# Altium PCB LimeSDR-PCIe_1v3.PcbDoc (part 8 of 10) (continued)
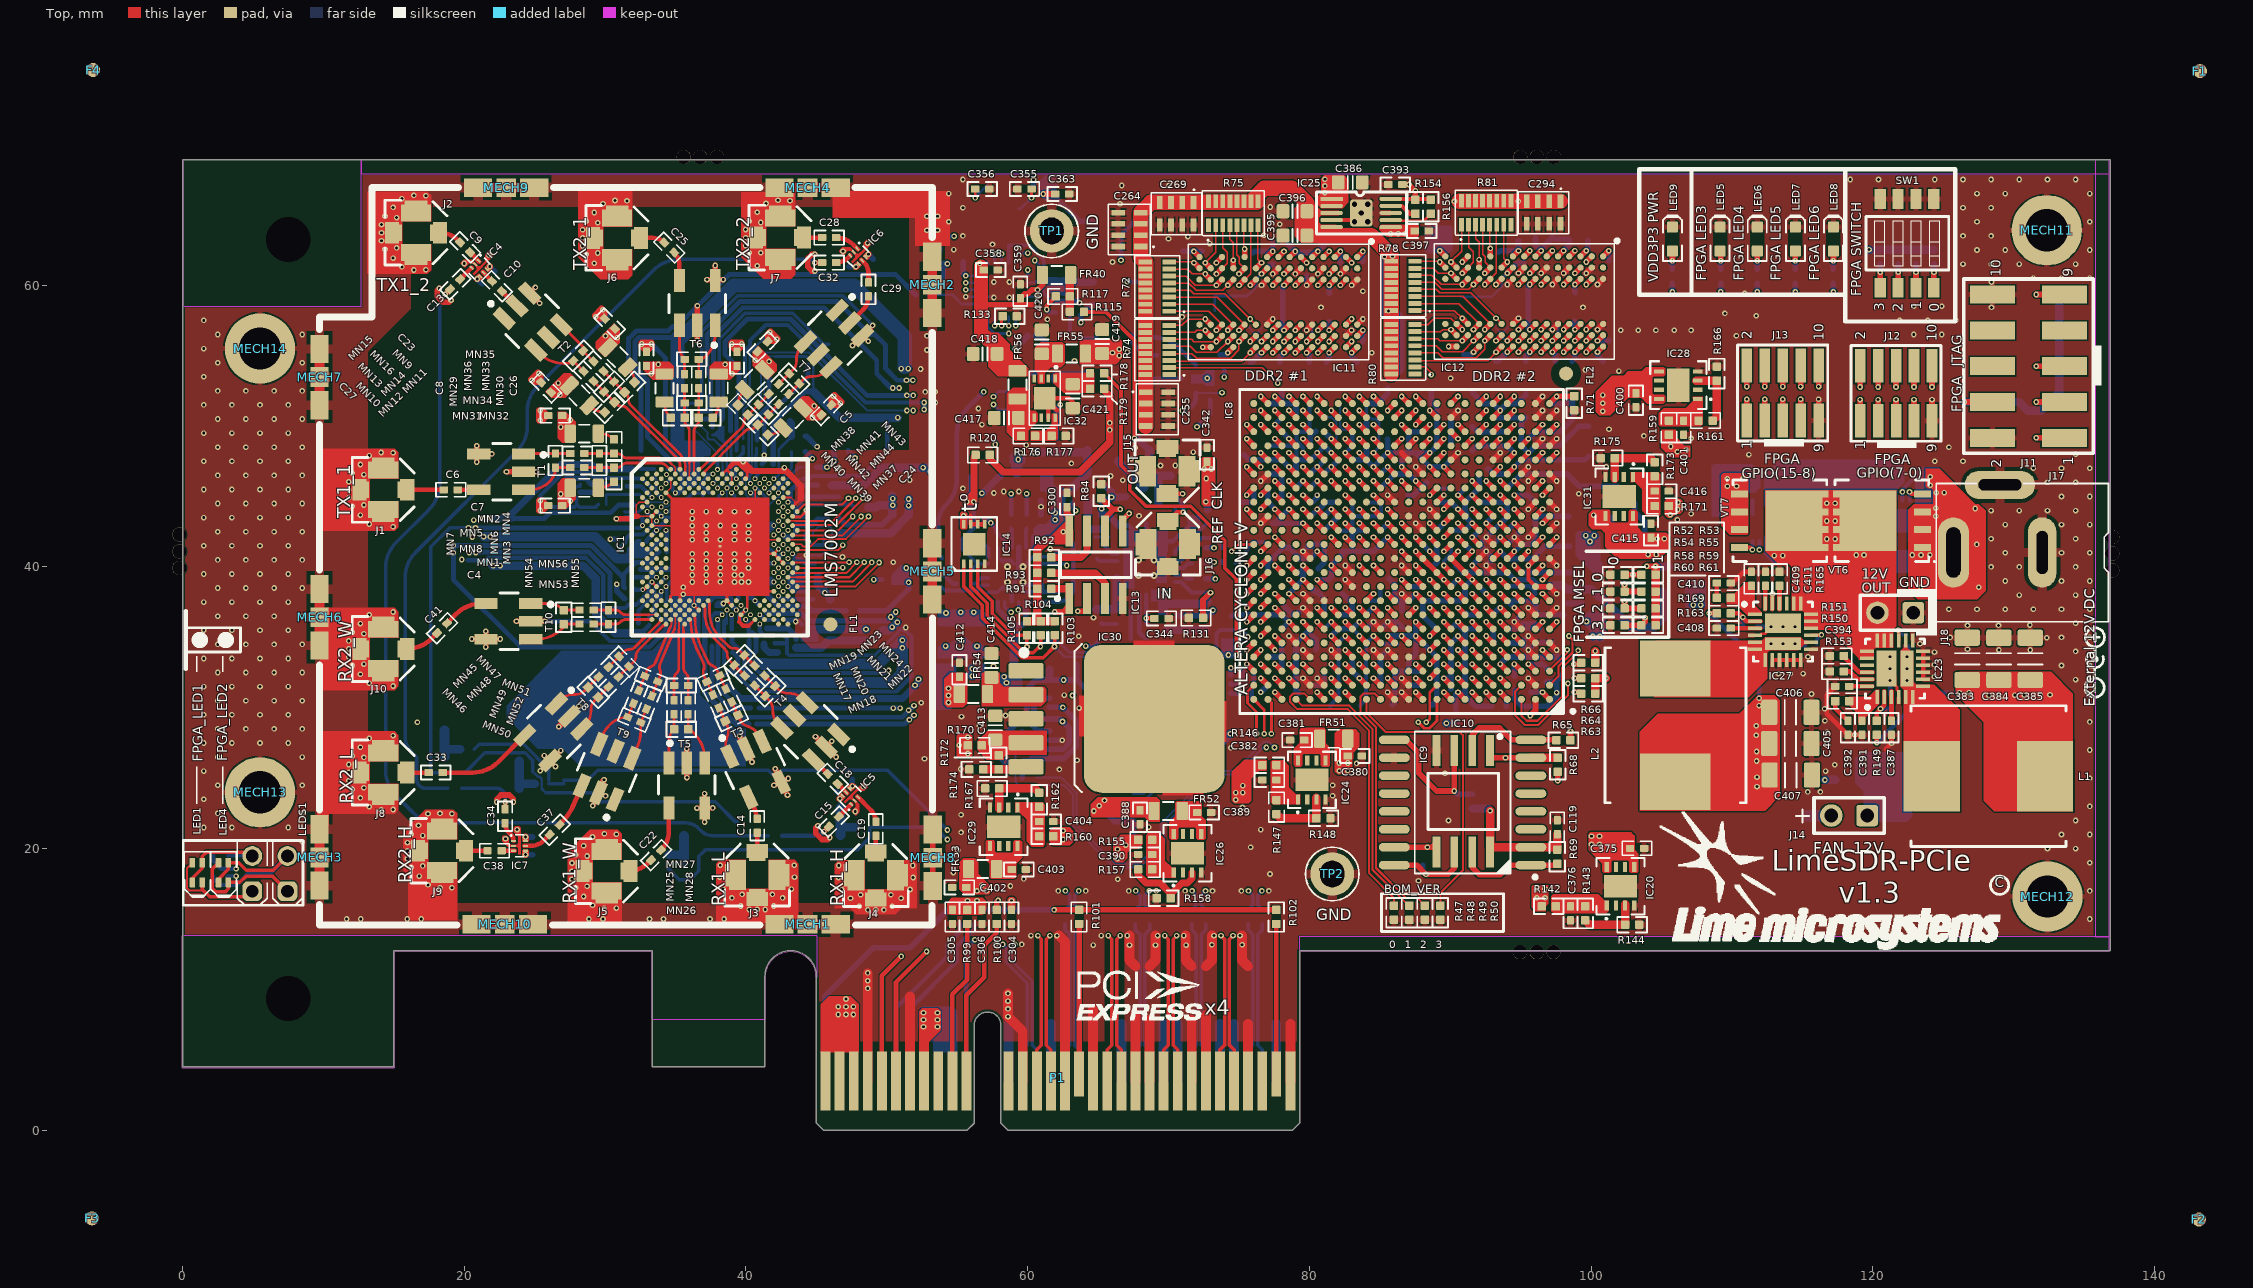
[diagram p0: Top view]
## Nets (pads, with @x,y where several pads share a name; then routed paths per layer and width w, separated by ;. In a path a pad name is that pad's centre, name@x,y a point inside that pad or via, vN(x,y) a via of type N, cw(c..) or ccw(c..) an arc to the next point about the centre after c; other vN are vias at no path point) (continued)
  Bottom w0.6: C302.1@55.45,43 v1(55.45,43.625) ; R70.1@91.6,22.85 92.675,22.85 v1(92.83,22.695) ; v1(119.725,62.525) R85.1@120.53,62.525 R86.1@121.8,62.525 R87.1@123.07,62.525 R88.1@124.34,62.525
  other v1: 56.4,17 57.075,17 56.75,17.4 100.025,20.3 100.6,20.3 100.025,20.875 100.6,20.875 65.45,23.425 82.125,25.525 82.725,25.525 82.125,26.075 82.725,26.075 54.375,30.375 54.375,30.875 128.249,30.876 128.924,30.876 130.074,30.901 130.749,30.901 131.899,30.926 132.574,30.926 126.149,31.076 54.375,31.375 104.05,40.875 104.625,40.875 104.7,42 105.2,42 62.525,42.5 100.175,43.675 100.825,51.625 100.825,52.2
VCC3P3_CLK: C338.2 C342.1 C343.1 C357.1 C358.1 C359.1 C418.2 FR40.1 FR41.1 FR43.1 FR45.1 FR46.1 FR56.2 IC18.16 IC18.17 IC19.11 IC19.18 IC19.20 R124.2 R125.2 | length 65.9
  Top w0.4: 56.725,58.625 60.65,58.625 v1(60.7,58.675) ; 57.475,54.3 57.475,55.9 ; C359.1@59.45,59.05 59.8,59.4 60.025,59.4 60.3,59.675 v1(60.7,59.675) 61.05,60.025 FR40.1@61.05,60.725
  Top w1: 56.675,61.325 56.675,56.65 57.2,56.125 57.7,56.125
  L5 w0.8: 58.525,32.15 58.525,31.575 61.675,28.425 63.25,28.425 64.575,29.75 64.575,31.975 66.05,33.45 67.175,33.45 ; 72.825,47 72.65,46.825 72.65,43 69.8,40.15 v1(69.8,38.175) 69.8,36.075 67.175,33.45 ; v1(74.4,28.15) 72.475,28.15 67.175,33.45
  Bottom w0.2: IC19.20@60.075,58.675 v1(60.7,58.675) ; IC19.18@60.075,59.675 v1(60.7,59.675)
  Bottom w0.4: v1(56.6,61.55) IC19.11@57.1,61.55
  Bottom w0.5: v1@56.775,45.225 56.797,45.225 57.947,46.375 FR41.1@58.05,46.375 ; C338.2@65.25,44.675 65.675,44.675 v1(65.95,44.95) ; C357.1@65.65,45.675 65.95,45.375 v1(65.95,44.95) ; FR46.1@66.95,44.95 v1(65.95,44.95) ; v1(72.65,44.625) 72.775,44.5 R125.2@72.775,44.05
  Bottom w0.6: 69.7,37.475 69.775,37.4 72.625,37.4 C343.1@72.8,37.575 ; FR45.1@72.525,26.871 73.121,26.871 v1(74.4,28.15)
  Bottom w0.8: FR43.1@58.885,30.9 FR43.1@58.9,30.9
  other v1: 58.5,31.775 58.325,32.2 56.75,45.225 72.675,46.275 72.525,46.95 73.025,46.95
VCC3P3_LMK: C319.2 C320.2 C321.2 C322.2 FR41.2 IC16.8 IC16.23 R106.2 R120.1 | length 14
  Top w0.5: 56.175,45.1 56.175,47.775 R120.1@56.35,47.95
  Bottom w0.25: R106.2@55.35,41.95 55.35,41.275 C319.2@55.95,40.675 56.413,40.212 ; C321.2@55.95,39.75 56.412,40.212 ; IC16.23@57.2,40.212 56.413,40.212 ; IC16.8@61.05,40.212 C320.2@62.25,40.212 ; C322.2@62.25,39.225 C320.2@62.25,40.212 ; v1(62.775,40.1) 62.663,40.212 C320.2@62.25,40.212
  Bottom w0.3: R106.2@55.35,41.95 56.175,42.775 v1(56.175,44.625) 56.175,45.07
  Bottom w0.6: 56.05,45.17 FR41.2@56.05,46.375
  other v1: 55.675,44.625
VCC3P3_PCIE: C304.1 C305.1 C306.1 P1.A9 P1.A10 P1.B8 R99.1 | length 6.9
  Top w0.7: P1.B8@52.65,3.5 v1@52.65,8.3 ; C305.1@54.65,15.65 C306.1@56.7,15.65
  other v1: 52.6,7.35 53.6,7.35 52.6,7.85 53.6,7.85 52.6,8.35 53.6,8.35 55.725,16.3 56.4,16.3 58.85,16.3
VCC12P0: C301.1 C368.2 C369.2 C370.2 C371.2 C372.2 C373.1 C377.1 C379.2 C399.2 C419.2 FR55.1 IC21.1 IC21.6 IC22.1 IC22.6 IC23.16 IC23.17 IC23.18 IC23.19 IC23.20 IC27.16 IC27.17 IC27.18 IC27.19 IC27.20 J14.2 J18.2 R139.1 R140.1 VT6.5 VT6.6 VT6.7 VT6.8 VT7.5 VT7.6 VT7.7 VT7.8 | length 10.5
  Bottom w0.6: v1(117.325,41.985) IC22.6@121.455,41.985
  Bottom w0.8: C301.1@115.325,22.325 J14.2@117.03,22.325 ; C379.2@118.725,36.625 120.205,36.625 J18.2@120.33,36.75 C399.2@120.33,35.18 ; J18.2@120.3,36.78 C377.1@120.3,38.225
  other v1: 113,40.8 113.6,40.8 118.825,40.85 119.375,40.85 116.725,41.985 116.725,43.255 117.325,43.255 116.725,44.525 117.325,44.525 66.5,55 66.025,55.2 66.5,55.45
VCC12P0_PCIE: C307.1 C308.1 C309.1 C310.1 C311.1 IC21.2 P1.A2 P1.A3 P1.B1 P1.B2 P1.B3 R140.2 VT7.1 VT7.2 VT7.3 | length 0.6
  Bottom w0.3: v1(111.95,41.225) IC21.2@111.95,41.84
  other v1: 46.55,8.225 47.1,8.225 47.625,8.225 46.55,8.775 47.1,8.775 47.625,8.775 47.1,9.325 109.675,45.725 110.325,45.725 109.675,46.25 110.775,46.25
VDIO_LMK: C330.2 C331.2 C332.2 C333.2 FR43.2 IC16.14 IC16.18 | length 7.4
  Bottom w0.3: IC16.18@57.875,37.537 57.875,37 58.175,36.7
  Bottom w0.4: 58.175,36.7 C332.2@59,35.875 59.625,35.875 59.875,36.125 IC16.14@59.875,37.537
  Bottom w0.6: FR43.2@59,33 C333.2@59,33.875 C330.2@59,34.875 C332.2@59,35.875
VDIO_LMS: C2.1 C3.2 C366.2 C367.1 FR50.2 IC2.8 IC3.1 IC3.2 IC3.3 IC3.8 R1.2 R2.2 R3.1 R4.1 R5.2 R12.1 R13.1 R21.1 R22.1 R23.1 R24.1 R25.1 | length 90.5
  L5 w0.6: 41.6,42.95 41.237,42.588 41.237,37.988 42.075,37.15 44.575,37.15 v1(45.6,38.175)
  L7 w0.8: v1(62.55,31.975) 63.175,31.975 65.475,29.675 88.95,29.675 v1(89.725,28.9) 89.875,28.75 96.725,28.75 97.55,29.575 v1(97.55,31.075)
  Bottom w0.4: R13.1@58.625,26.15 58.35,26.15 58,26.5 58,27.675 R12.1@58.625,28.3 59.45,29.125 59.95,29.125 ; IC2.8@61.55,28.35 60.725,28.35 59.95,29.125 ; 63.45,31.975 v1(62.55,31.975) IC3.8@61.55,31.975 60.575,31.975 59.95,31.35 59.95,29.125 ; C2.1@63.475,33.075 63.475,32 64.15,31.325 IC3.2@67.45,31.325 ; R1.2@94.575,31.225 94.575,30.625 95.1,30.1 R2.2@95.725,30.1 96.85,30.1 97.55,30.8 v1(97.55,31.075) 97.55,31.725 97.45,31.825 ; R4.1@96.825,31.825 97.45,31.825 ; R5.2@97.925,32.3 97.45,31.825
  Bottom w0.6: R25.1@41.374,42.556 41.748,42.931 ; R22.1@45.099,39.281 45.099,38.737 45.999,37.837 R21.1@45.999,37.706 ; R24.1@46.075,45.8 48.328,45.8 49.578,47.05 v1(52.575,47.05) 52.825,47.05 v1@53.094,46.781 ; R23.1@46.574,42.406 46.574,42.4 50.275,42.4 51.55,43.675 v1(51.55,44.825) ; 61.55,32.225 C3.2@61.55,32.7 ; v1(89.725,28.9) R3.1@90.4,28.9
  other v1: 54.2,36.725 55.25,36.775 56.175,36.775 51.55,44.35 53.1,46.775
  other v2: 41.974,42.931
VDIO_LMS_FPGA: C157.2 C158.2 C159.2 C160.2 C161.2 C162.1 C228.1 C229.1 C230.1 C231.1 C232.1 C233.1 C234.1 C353.1 FR50.1 IC8.E9 IC8.E10 IC8.E11 IC8.E12 IC8.F10 IC8.H10 IC8.N12 IC19.10 R120.2 R138.1 R141.1 R179.2 | length 90.9
  Top w0.4: v1(85.55,35.1) IC8.E12@86.05,34.6 ; v1(85.55,43.1) IC8.N12@86.05,42.6 ; v1(86.55,35.1) IC8.E11@87.05,34.6 ; v1(87.55,35.1) IC8.E10@88.05,34.6 ; v1(87.55,36.1) IC8.F10@88.05,35.6 ; v1(87.55,38.1) IC8.H10@88.05,37.6 ; v1(88.55,34.1) IC8.E9@89.05,34.6
  Top w0.5: R120.2@57.3,47.95 57.3,47.7 58.275,46.725 63.7,46.725 65.825,48.85 65.825,52.125 R179.2@65.425,52.525
  L3 w0.4: v1(85.55,43.1) 85.1,42.65 84.35,42.65 84.05,42.35 84.05,39.725 85.175,38.6 85.757,38.6 86.05,38.307 86.05,35.6 v1(86.55,35.1)
  L3 w0.8: v1@55.6,60.875 56,60.875 56.6,60.275 56.6,56.725 58.5,54.825 58.5,52.95 61.5,49.95 65.825,49.95
  L7 w1: 54.3,40.075 54.3,60.4 54.875,60.975 55.625,60.975
  Bottom w0.2: v1(55.6,60.675) IC19.10@56.225,60.675
  Bottom w0.4: C353.1@55.425,61.65 55.425,60.85 v1(55.6,60.675) ; C160.2@85.05,42.55 85.55,43.05 v1(85.55,43.1) ; v1(85.55,35.1) v1(86.55,35.1) v1(87.55,35.1) ; C159.2@85.65,39.175 86.05,38.775 86.05,37.893 86.343,37.6 ; C157.2@85.9,30.225 86.05,30.375 86.05,32.307 86.343,32.6 86.757,32.6 ; C228.1@86.575,36.875 86.575,37.368 86.343,37.6 ; v1(87.55,36.1) v1(87.55,35.1) ; v1(87.55,38.1) 87.05,37.6 86.343,37.6 ; C162.1@88,32.6 87.05,32.6 C234.1@87.05,32.65 87.05,33.307 87.55,33.807 v1(87.55,35.1) ; C158.2@88.725,30.175 89.05,30.5 89.05,33.6 v1(88.55,34.1) v1(87.55,35.1)
  other v1: 54.175,34.375 56.4,34.375 55.3,34.775 65.825,49.725 65.825,50.225
VREF_DDR2: C101.1 C102.1 C103.1 C104.1 C105.1 C106.1 C107.1 C108.1 C109.1 C274.1 C299.1 C397.1 IC8.M20 IC8.P20 IC8.T16 IC8.U12 IC8.U18 IC8.V9 IC8.V13 IC8.W10 IC8.W16 IC11.J2 IC12.J2 IC25.6 | length 29.3
  Top w0.4: v1(76.6,60.8) IC11.J2@77,61.2 ; v1(77.55,42.1) IC8.M20@78.05,41.6 ; v1(77.55,44.1) IC8.P20@78.05,43.6 ; v1(79.55,47.1) IC8.U18@80.05,46.6 ; v1(81.55,46.1) IC8.T16@82.05,45.6 ; v1(81.55,49.1) IC8.W16@82.05,48.6 ; v1(84.55,48.1) IC8.V13@85.05,47.6 ; v1(85.55,47.1) IC8.U12@86.05,46.6 ; IC8.W10@88.05,48.6 v1(88.55,49.1) ; IC8.V9@89.05,47.6 v1(89.55,48.1) ; v1(94.05,60.85) IC12.J2@94.45,61.25
  Bottom w0.2: C106.1@73.275,58.2 C109.1@73.275,59.225 75.591,59.225 76.2,59.834 76.2,60.4 v1(76.6,60.8) ; C102.1@84.05,51.6 84.05,50.85 84.4,50.5 84.716,50.5 84.95,50.266 84.95,48.5 v1(84.55,48.1) ; C107.1@90.75,59.175 92.941,59.175 93.65,59.884 93.65,60.45 v1(94.05,60.85)
  Bottom w0.4: v1(76.6,60.8) 77.3,61.5 C274.1@77.4,61.5 ; C101.1@77.025,45.575 77.05,45.55 77.05,44.575 77.075,44.575 v1(77.55,44.1) ; C108.1@81.05,49.625 81.05,49.6 v1(81.55,49.1) ; C102.1@84.05,51.6 84.85,51.6 85.575,52.325 C105.1@85.575,52.675 ; C103.1@85.05,46.575 85.05,46.6 v1(85.55,47.1) ; v1(94.05,60.85) 94.8,61.6 C299.1@95.2,61.6
  other v1: 85.775,63.65 86.3,63.65 86.8,63.65
VTT_DDR2: C255.1 C255.2 C255.3 C255.4 C264.1 C264.2 C264.3 C264.4 C269.1 C269.2 C269.3 C269.4 C280.1 C280.2 C280.3 C280.4 C285.1 C285.2 C285.3 C285.4 C294.1 C294.2 C294.3 C294.4 C395.2 C396.2 IC25.3 IC25.5 R72.9 R72.10 R72.11 R72.12 R72.13 R72.14 R72.15 R72.16 R74.9 R74.10 R74.11 R74.12 R74.13 R74.14 R74.15 R74.16 R75.9 R75.10 R75.11 R75.12 R75.13 R75.14 R75.15 R75.16 R78.9 R78.10 R78.11 R78.12 R78.13 R78.14 R78.15 R78.16 R80.9 R80.10 R80.11 R80.12 R80.13 R80.14 R80.15 R80.16 R81.9 R81.10 R81.11 R81.12 R81.13 R81.14 R81.15 R81.16 | length 76.8
  Top w1.1: C255.4@68.375,50 68.375,61.625 R72.9@68.35,61.65 68.025,61.975 C264.1@68.025,62.75 C264.2@68.025,63.55 C264.3@68.025,64.35 C264.4@68.025,65.15 68.75,65.875 C269.4@69.375,65.875 R75.9@76.275,65.875 ; R75.10@75.85,65.95 76.8,66.9 78.75,66.9 79.825,65.825 C396.2@79.825,65.25 ; 80.77,63.52 84.405,63.52 85.8,62.125 R78.9@85.8,61.7 R78.10@85.8,61.2 R78.11@85.8,60.7 R78.12@85.8,60.2 R78.13@85.8,59.7 R78.14@85.8,59.2 R78.15@85.8,58.7 R78.16@85.8,58.2 R80.9@85.8,57.2 R80.10@85.8,56.7 R80.11@85.8,56.2 R80.12@85.8,55.7 R80.13@85.8,55.2 R80.14@85.8,54.7 R80.15@85.8,54.2 R80.16@85.8,53.7 ; R81.16@90.65,65.95 v1(94.825,65.95) C294.3@96.225,65.95 C294.2@97.025,65.95 C294.1@97.825,65.95
  L4 w1.1: v1(85.325,62.025) 85.65,62.35 87.025,62.35 87.7,63.025 87.7,64.725 86,66.425 86,67.475 86.625,68.1 88.15,68.1 v1(90.3,65.95) v1(94.825,65.95)
  Bottom w1.1: 85.625,62.325 C285.2@85.625,59.925 C285.1@85.625,59.125 v1(85.625,58.175) 86.2,57.6 C280.1@86.2,54.125
  other v1: 85.9,62.05 85.6,62.575
pads on no net: C1.0 C2.0 C3.0 C4.0 C5.0 C6.0 C7.0 C8.0 C9.0 C10.0 C11.0 C12.0 C13.0 C14.0 C15.0 C16.0 C17.0 C18.0 C19.0 C20.0 C21.0 C22.0 C23.0 C24.0 C25.0 C26.0 C27.0 C28.0 C29.0 C30.0 C31.0 C32.0 C33.0 C34.0 C35.0 C36.0 C37.0 C38.0 C39.0 C40.0 C41.0 C101.0 C102.0 C103.0 C104.0 C105.0 C106.0 C107.0 C108.0 C109.0 C110.0 C111.0 C112.0 C113.0 C114.0 C115.0 C116.0 C117.0 C118.0 C119.0 C120.0 C121.0 C122.0 C123.0 C124.0 C125.0 C126.0 C127.0 C128.0 C129.0 C130.0 C131.0 C132.0 C133.0 C134.0 C135.0 C136.0 C137.0 C138.0 C139.0 C140.0 C141.0 C142.0 C143.0 C144.0 C145.0 C146.0 C147.0 C148.0 C149.0 C150.0 C151.0 C152.0 C153.0 C154.0 C155.0 C156.0 C157.0 C158.0 C159.0 C160.0 C161.0 C162.0 C163.0 C164.0 C165.0 C166.0 C167.0 C168.0 C169.0 C170.0 C171.0 C172.0 C173.0 C174.0 C175.0 C176.0 C177.0 C178.0 C179.0 C180.0 C181.0 C182.0 C183.0 C184.0 C185.0 C186.0 C187.0 C188.0 C189.0 C190.0 C191.0 C192.0 C193.0 C194.0 C195.0 C196.0 C197.0 C198.0 C199.0 C200.0 C201.0 C202.0 C203.0 C204.0 C205.0 C206.0 C207.0 C208.0 C209.0 C210.0 C211.0 C212.0 C213.0 C214.0 C215.0 C216.0 C217.0 C218.0 C219.0 C220.0 C221.0 C222.0 C223.0 C224.0 C225.0 C226.0 C227.0 C228.0 C229.0 C230.0 C231.0 C232.0 C233.0 C234.0 C235.0 C236.0 C237.0 C238.0 C239.0 C240.0 C241.0 C242.0 C243.0 C244.0 C245.0 C246.0 C247.0 C248.0 C249.0 C250.0 C251.0 C252.0 C253.0 C254.0 C256.0 C257.0 C258.0 C259.0 C260.0 C261.0 C262.0 C263.0 C265.0 C266.0 C267.0 C268.0 C270.0 C271.0 C272.0 C273.0 C274.0 C275.0 C276.0 C277.0 C278.0 C279.0 C281.0 C282.0 C283.0 C284.0 C286.0 C287.0 C288.0 C289.0 C290.0 C291.0 C292.0 C293.0 C295.0 C296.0 C297.0 C298.0 C299.0 C300.0 C301.0 C302.0 C303.0 C304.0 C305.0 C306.0 C307.0 C308.0 C309.0 C310.0 C311.0 C312.0 C313.0 C314.0 C315.0 C316.0 C317.0 C318.0 C319.0 C320.0 C321.0 C322.0 C323.0 C324.0 C325.0 C326.0 C327.0 C328.0 C329.0 C330.0 C331.0 C332.0 C333.0 C334.0 C335.0 C336.0 C337.0 C338.0 C339.0 C340.0 C341.0 C342.0 C343.0 C344.0 C345.0 C346.0 C347.0 C348.0 C349.0 C350.0 C351.0 C352.0 C353.0 C354.0 C355.0 C356.0 C357.0 C358.0 C359.0 C360.0 C361.0 C362.0 C363.0 C364.0 C365.0 C366.0 C367.0 C368.0 C369.0 C370.0 C371.0 C372.0 C373.0 C374.0 C375.0 C376.0 C377.0 C378.0 C379.0 C380.0 C381.0 C382.0 C383.0 C384.0 C385.0 C386.0 C387.0 C388.0 C389.0 C390.0 C391.0 C392.0 C393.0 C394.0 C395.0 C396.0 C397.0 C398.0 C399.0 C400.0 C401.0 C402.0 C403.0 C404.0 C405.0 C406.0 C407.0 C408.0 C409.0 C410.0 C411.0 C412.0 C413.0 C414.0 C415.0 C416.0 C417.0 C418.0 C419.0 C420.0 C421.0 F1.1 F2.1 F3.1 F4.1 F5.1 F6.1 F7.1 F8.1 FL1.1 FL2.1 FR36.0 FR37.0 FR38.0 FR39.0 FR40.0 FR41.0 FR42.0 FR43.0 FR44.0 FR45.0 FR46.0 FR50.0 FR51.0 FR52.0 FR53.0 FR54.0 FR55.0 FR56.0 IC1.A5 IC1.A21 IC1.AA1 IC1.AA3 IC1.AA5 IC1.AB2 IC1.AB4 IC1.AB6 IC1.AC3 IC1.AC5 IC1.AD2 IC1.AE1 IC1.AE5 IC1.AG3 IC1.AG33 IC1.AH2 IC1.AH4 IC1.AH32 IC1.AJ1 IC1.AJ3 IC1.AJ5 IC1.AJ11 IC1.AJ13 IC1.AJ21 IC1.AJ27 IC1.AJ29 IC1.AJ31 IC1.AJ33 IC1.AK2 IC1.AK4 IC1.AK6 IC1.AK8 IC1.AK10 IC1.AK26 IC1.AK28 IC1.AK30 IC1.AK32 IC1.AK34 IC1.AL3 IC1.AL5 IC1.AL7 IC1.AL9 IC1.AL11 IC1.AL27 IC1.AL29 IC1.AL31 IC1.AL33 IC1.AM6 IC1.AM10 IC1.AM28 IC1.AM30 IC1.AM34 IC1.AN27 IC1.AN29 IC1.AN31 IC1.AP30 IC1.AP32 IC1.B2 IC1.B4 IC1.B22 IC1.C1 IC1.C3 IC1.C5 IC1.C9 IC1.C13 IC1.C15 IC1.C17 IC1.C19 IC1.C31 IC1.D2 IC1.D4 IC1.D8 IC1.D10 IC1.D12 IC1.D14 IC1.D18 IC1.D22 IC1.D30 IC1.D32 IC1.E3 IC1.E9 IC1.E11 IC1.E13 IC1.E15 IC1.E23 IC1.E29 IC1.E31 IC1.F2 IC1.F4 IC1.F10 IC1.F12 IC1.F14 IC1.F16 IC1.F22 IC1.F26 IC1.F32 IC1.G1 IC1.G29 IC1.J1 IC1.M2 IC1.M6 IC1.P2 IC1.R3 IC1.R5 IC1.T4 IC1.T6 IC1.U1 IC1.U3 IC1.U5 IC1.V2 IC1.V4 IC1.V6 IC1.W3 IC1.Y2 IC1.Y4 IC1.Y6 IC8.AA3 IC8.AA7 IC8.AA22 IC8.AB3 IC8.AB7 IC8.AB9 IC8.AB16 IC8.AB22 IC8.C10 IC8.C11 IC8.C17 IC8.D17 IC8.D19 IC8.D20 IC8.D21 IC8.E17 IC8.F20 IC8.F22 IC8.G10 IC8.G19 IC8.H13 IC8.H14 IC8.H15 IC8.H16 IC8.J12 IC8.J13 IC8.J14 IC8.J16 IC8.J20 IC8.K12 IC8.K17 IC8.L13 IC8.L14 IC8.L15 IC8.L16 IC8.L19 IC8.L20 IC8.M17 IC8.M18 IC8.M19 IC8.N19 IC8.N20 IC8.N21 IC8.N22 IC8.P10 IC8.R10 IC8.R11 IC8.R14 IC8.R16 IC8.R17 IC8.R22 IC8.T7 IC8.T8 IC8.U6 IC8.U7 IC8.V6 IC8.V7 IC8.W8 IC8.W21 IC8.Y3 IC8.Y12 IC8.Y17 IC10.0 IC10.3 IC10.4 IC10.5 IC10.6 IC10.11 IC10.12 IC10.13 IC10.14 IC11.A2 IC11.E2 IC11.R3 IC11.R7 IC11.R8 IC12.A2 IC12.E2 IC12.R3 IC12.R7 IC12.R8 IC14.9 IC16.9 IC16.10 IC20.2 IC20.6 IC20.7 IC21.5 IC22.5 IC23.21 IC24.2 IC24.6 IC24.7 IC26.2 IC26.6 IC26.7 IC27.21 IC28.2 IC28.6 IC28.7 IC29.2 IC29.6 IC29.7 IC30.0 IC30.1 IC31.2 IC31.6 IC31.7 IC32.2 IC32.4 IC32.6 J11.6 J11.7 J11.8 LED1.0 LED4.0 LED5.0 LED6.0 LED7.0 LED8.0 LED9.0 MN1.0 MN2.0 MN3.0 MN4.0 MN5.0 MN6.0 MN7.0 MN8.0 MN9.0 MN10.0 MN11.0 MN12.0 MN13.0 MN14.0 MN15.0 MN16.0 MN17.0 MN18.0 MN19.0 MN20.0 MN21.0 MN22.0 MN23.0 MN24.0 MN25.0 MN26.0 MN27.0 MN28.0 MN29.0 MN30.0 MN31.0 MN32.0 MN33.0 MN34.0 MN35.0 MN36.0 MN37.0 MN38.0 MN39.0 MN40.0 MN41.0 MN42.0 MN43.0 MN44.0 MN45.0 MN46.0 MN47.0 MN48.0 MN49.0 MN50.0 MN51.0 MN52.0 MN53.0 MN54.0 MN55.0 MN56.0 P1.A5 P1.A8 P1.A19 P1.A32 P1.B9 P1.B12 P1.B30 R1.0 R2.0 R3.0 R4.0 R5.0 R6.0 R7.0 R8.0 R9.0 R10.0 R11.0 R12.0 R13.0 R14.0 R15.0 R16.0 R17.0 R18.0 R19.0 R21.0 R22.0 R23.0 R24.0 R25.0 R28.0 R29.0 R30.0 R31.0 R40.0 R41.0 R42.0 R43.0 R44.0 R45.0 R46.0 R47.0 R48.0 R49.0 R50.0 R51.0 R52.0 R53.0 R54.0 R55.0 R56.0 R57.0 R58.0 R59.0 R60.0 R61.0 R62.0 R63.0 R64.0 R65.0 R66.0 R67.0 R68.0 R69.0 R70.0 R71.0 R73.0 R74.1 R75.1 R76.0 R77.0 R79.0 R80.1 R81.8 R82.0 R83.0 R84.0 R85.0 R86.0 R87.0 R88.0 R89.0 R90.0 R91.0 R92.0 R93.0 R94.0 R95.0 R96.0 R97.0 R98.0 R99.0 R100.0 R101.0 R102.0 R103.0 R104.0 R105.0 R106.0 R107.0 R108.0 R109.0 R110.0 R111.0 R112.0 R113.0 R114.0 R115.0 R116.0 R117.0 R118.0 R119.0 R120.0 R121.0 R122.0 R123.0 R124.0 R125.0 R126.0 R127.0 R128.0 R129.0 R130.0 R131.0 R132.0 R133.0 R134.0 R135.0 R136.0 R137.0 R138.0 R139.0 R140.0 R141.0 R142.0 R143.0 R144.0 R145.0 R146.0 R147.0 R148.0 R149.0 R150.0 R151.0 R152.0 R153.0 R154.0 R155.0 R156.0 R157.0 R158.0 R159.0 R160.0 R161.0 R162.0 R163.0 R164.0 R165.0 R166.0 R167.0 R168.0 R169.0 R170.0 R171.0 R172.0 R173.0 R174.0 R175.0 R176.0 R177.0 R178.0 R179.0 RA1.0 RA2.0 RA3.0 RA4.0 RA5.0 RA6.0 T2.1 T2.5 T4.1 T4.5 T7.1 T7.5 T9.1 T9.5 VD1.0 VT5.0 XO1.3 XO3.2 XO3.3 XO3.5 XO3.8 XO3.10 XO4.0 XO4.1 XO5.0 XO5.1 XO6.0 XO6.2 XT1.0
copper on no net: | length 2.4
  Top w0.4: 84.05,37.6 v1(84.55,38.1) ; v1(87.55,33.1) 88.05,32.6
  Bottom w0.2: 64.775,42.125 65.75,42.125

## Polygon pours and split planes (outlines as drawn)
VCC1P2 on L6 "VCC1P2_L06_P008" (solid, remove dead copper, pour order 8): 112.3,24.35 112.3,33.05 106.425,38.925 104.925,38.925 101.45,42.4 99.375,42.4 98.4,43.375 97.5,44.275 82.6,44.275 80.725,42.4 80.175,41.85 80.175,38.775 83.175,35.775 90.5,35.775 97.675,28.6 102.55,23.725 111.675,23.725
VCC3P3 on L6 "VCC3P3_L06_P020" (solid, remove dead copper, pour order 20): 125.25,32.375 132.05,32.375 133.825,30.6 133.825,22.55 132.125,20.85 126.15,14.875 98.8,14.875 57.35,14.875 53.725,18.5 53.725,21.575 53.725,52.2 57.325,55.8 63.425,55.8 68.275,50.95 68.275,43.125 69.25,42.15 78.275,42.15 79.675,40.75 79.675,37.95 82.4,35.225 90.4,35.225 102.4,23.225 112.225,23.225 113.525,24.525 113.525,32.975 106.75,39.75 104.775,39.75 103.8,40.725 103.8,42.075 104.112,42.387 107.075,42.387 115.238,42.387
GND on L6 "GND_L06_P046" (solid, remove dead copper, pour order 46): 15,4.5 15,12.75 33.35,12.75 33.35,4.5 41.35,4.5 41.35,10.925 cw(c43.175,10.925) 45,10.925 45,6.35 56.2,6.35 56.2,7.45 cw(c57.15,7.45) 58.1,7.45 58.1,6.35 79.3,6.35 79.3,12.75 136.85,12.75 136.85,68.9 0,68.9 0,4.5
VCC1P8_DDR2 on L6 "VCC1P8_DDR2_L06_P000" (solid, remove dead copper, pour order 0): 76.575,67.75 71.625,62.8 71.625,57.425 74.85,54.2 98.3,54.2 101.1,54.2 103.325,51.975 103.325,50.025 105.4,47.95 107.2,47.95 107.575,47.95 108.225,48.6 108.225,60.4 100.875,67.75
VCC1P8 on L6 "VCC1P8_L06_P004" (solid, remove dead copper, pour order 4): 106.9,45.4 99.7,52.6 76.65,52.6 74.95,50.9 74.95,45.625 77.95,42.625 80.1,42.625 82.125,44.65 97.775,44.65 99.625,42.8 106.325,42.8 106.9,43.375
VCC3P3_LMK on L5 "VCC3P3_LMK_L05_P034" (solid, remove dead copper, pour order 34): 57.6,39.275 62.8,39.275 62.975,39.45 62.975,41.05 59.663,44.363 58.387,44.362 57.85,44.9 55.225,44.9 54.6,44.275 54.6,42.275
VCC1P4_LMS on L5 "VCC1P4_LMS_L05_P006" (solid, remove dead copper, pour order 6): 67.1,19.075 53.4,19.075 47.15,25.325 47.15,31.575 49.275,33.7 51.65,33.7 53.775,31.575 53.775,26.65 55.1,25.325 64.95,25.325 67.875,22.4 67.875,20.15 67.875,19.625 67.325,19.075
GND on L5 "GND_L05_P045" (solid, remove dead copper, pour order 45): 15,4.5 15,12.75 33.35,12.75 33.35,4.5 41.35,4.5 41.35,10.925 cw(c43.175,10.925) 45,10.925 45,6.25 56.2,6.25 56.2,7.45 cw(c57.15,7.45) 58.1,7.45 58.1,6.25 79.3,6.25 79.3,12.75 136.85,12.75 136.85,68.9 0,68.9 0,4.5
VCC1P25_LMS_DIG on L5 "VCC1P25_LMS_DIG_L05_P014" (solid, remove dead copper, pour order 14): 55.525,26.475 54.625,27.375 54.625,32.575 50.85,36.35 50.85,41.7 52.062,42.913 55.35,39.625 57.925,37.05 57.925,27.975 56.425,26.475
VCC1P8_LMS on L8 "VCC1P8_LMS_L08_P010" (solid, remove dead copper, pour order 10): 62.125,28.225 53.95,36.4 45.025,36.4 44.375,35.75 34.875,35.75 31.5,39.125 31.5,47.45 32.2,48.15 43.15,48.15 44.05,49.05 48.575,49.05 51.225,51.7 51.225,52.75 50.975,53 44.661,53 42.463,55.525 34.176,55.525 32.926,56.775 29.35,56.775 25.725,53.15 25.725,44.763 25.25,44.287 20.587,44.287 19.875,43.575 19.875,40.025 21.525,38.375 25.725,38.375 26.375,37.725 26.375,35.425 30.35,31.45 46.7,31.45 57.775,20.375 72.275,20.375 75.55,23.65 75.55,25 72.325,28.225
GND on L8 "GND_L08_P048" (solid, remove dead copper, pour order 48): 15,4.5 15,12.75 33.35,12.75 33.35,4.5 41.35,4.5 41.35,10.925 cw(c43.175,10.925) 45,10.925 45,6.3 56.2,6.3 56.2,7.45 cw(c57.15,7.45) 58.1,7.45 58.1,6.3 79.3,6.3 79.3,12.75 136.85,12.75 136.85,68.9 0,68.9 0,4.5
VCC3P3_CLK on L4 "VCC3P3_CLK_L04_P028" (solid, remove dead copper, pour order 28): 73.725,46.45 73.725,48.05 69.35,52.425 65.6,56.175 65.6,57.725 61.4,61.925 60.725,61.925 59.9,62.75 58.525,62.75 56.475,60.7 56.475,45.05 56.875,44.65 57.95,44.65 58.206,44.906 58.206,45.6 58.478,45.872 60.275,45.872 60.547,45.6 62.472,43.675 66.775,43.675 67.4,44.3 67.4,45.7 68,46.3 70.875,46.3 71.75,45.425 71.75,44.7 72.15,44.3 73.225,44.3 73.725,44.8 73.725,46.175
VCC3P3_PCIE on L4 "VCC3P3_PCIE_L04_P038" (solid, remove dead copper, pour order 38): 51.8,7.125 51.8,14.8 53.725,16.725 53.975,16.975 58.075,16.975 59.225,16.975 59.625,16.575 60.175,16.025 60.175,13.825 60.175,12.425 54.3,6.55 52.375,6.55
VCC2P5 on L4 "VCC2P5_L04_P012" (solid, remove dead copper, pour order 12): 107.625,38.275 89.95,20.6 89.95,19.025 89.4,18.475 88.475,18.475 86.05,20.9 86.05,23.05 86.05,26.025 80.1,31.975 76.875,31.975 75.05,33.8 74.875,33.975 74.175,33.975 72.35,32.15 58.025,32.15 56.925,33.25 55.7,33.25 55.7,32.3 55.7,30.35 57.45,28.6 64.55,28.6 68.15,25 71.875,21.275 79.525,13.625 100.85,13.625 110.05,22.825 110.05,37.475 109.25,38.275
GND on L4 "GND_L04_P042" (solid, remove dead copper, pour order 42): 15,4.5 15,12.75 33.35,12.75 33.35,4.5 41.35,4.5 41.35,10.925 cw(c43.175,10.925) 45,10.925 45,6.175 56.2,6.175 56.2,7.45 cw(c57.15,7.45) 58.1,7.45 58.1,6.175 79.3,6.175 79.3,12.75 136.85,12.75 136.85,68.9 0,68.9 0,4.5
VCC1P25_LMS on L10 "VCC1P25_LMS_L10_P016" (solid, remove dead copper, pour order 16): 63.575,23.8 58.2,29.175 54.55,29.175 51.775,31.95 48.425,31.95 46.9,30.425 46.9,26.325 50.2,23.025 52.881,20.344 63.044,20.344 63.575,20.875
GND on L10 "GND_L10_P050" (solid, remove dead copper, pour order 50): 15,4.5 15,12.75 33.35,12.75 33.35,4.5 41.35,4.5 41.35,10.925 cw(c43.175,10.925) 45,10.925 45,6.275 56.2,6.275 56.2,7.45 cw(c57.15,7.45) 58.1,7.45 58.1,6.275 79.3,6.275 79.3,12.75 136.85,12.75 136.85,68.9 0,68.9 0,4.5
VCC12P0 on L3 "VCC12P0_L03_P018" (solid, remove dead copper, pour order 18): 116.992,22.3 116.992,36.383 112.597,40.778 112.597,58.071 107.367,63.3 67.025,63.3 65.875,62.15 65.875,57.069 66.704,56.24 66.704,54.816 66.537,54.65 62.075,54.65 58.6,58.125 58.6,66.3 60.5,68.2 116.425,68.2 120.7,63.925 120.7,45.45 121.525,44.625 121.525,39.7 121.525,24.625 119.2,22.3
VCC3P3 on L3 "VCC3P3_L03_P022" (solid, remove dead copper, pour order 22): 104.975,40.575 106.075,41.675 106.075,43.725 106.075,49.625 102.925,52.775 100.275,52.775 99.575,52.075 99.575,43.275 101.575,41.275 102.275,40.575 104.85,40.575
VDIO_LMS on L3 "VDIO_LMS_L03_P024" (solid, remove dead copper, pour order 24): 63.1,31.55 63.137,32.712 62.575,33.275 60.2,33.275 59.325,34.15 59.325,41.1 58.6,41.825 53.5,46.925 53.125,47.3 52,47.3 49.875,45.175 49.875,43.5 45.2,38.825 45.2,37.6 47.8,35 55,35 58.775,31.225 62.825,31.225
GND on L3 "GND_L03_P041" (solid, remove dead copper, pour order 41): 15,4.5 15,12.75 33.35,12.75 33.35,4.5 41.35,4.5 41.35,10.925 cw(c43.175,10.925) 45,10.925 45,6.175 56.2,6.175 56.2,7.45 cw(c57.15,7.45) 58.1,7.45 58.1,6.175 79.3,6.175 79.3,12.75 136.85,12.75 136.85,68.9 0,68.9 0,4.5
GND on L3 "GND_L03_P044" (solid, remove dead copper, pour order 44): 15,4.5 15,12.75 33.35,12.75 33.35,4.5 41.35,4.5 41.35,10.925 cw(c43.175,10.925) 45,10.925 45,6.15 56.2,6.15 56.2,7.45 cw(c57.15,7.45) 58.1,7.45 58.1,6.15 79.3,6.15 79.3,12.75 136.85,12.75 136.85,68.9 0,68.9 0,4.5
VCC12P0_PCIE on L9 "VCC12P0_PCIE_L09_P026" (solid, remove dead copper, pour order 26): 46.325,7.6 54.575,7.6 56.375,9.4 61.925,9.4 66.15,13.625 104.625,13.625 114.35,23.35 114.35,46 112.8,47.55 103.5,47.55 101.95,46 101.95,30.875 97.25,26.175 58.975,26.175 52.7,19.9 52.7,18.625 50.65,16.575 48.225,16.575 45.5,13.85 45.5,8.425
GND on L9 "GND_L09_P049" (solid, remove dead copper, pour order 49): 15,4.5 15,12.75 33.35,12.75 33.35,4.5 41.35,4.5 41.35,10.925 cw(c43.175,10.925) 45,10.925 45,6.15 56.2,6.15 56.2,7.45 cw(c57.15,7.45) 58.1,7.45 58.1,6.15 79.3,6.15 79.3,12.75 136.85,12.75 136.85,68.9 0,68.9 0,4.5
+1.8V_DIG_LMK on L7 "+1.8V_DIG_LMK_L07_P036" (solid, remove dead copper, pour order 36): 56.975,43.925 56.975,42.675 57.575,42.075 57.625,42.025 61.65,42.025 62.225,42.6 62.225,44.6 62.05,44.775 57.825,44.775
VDIO_LMS_FPGA on L7 "VDIO_LMS_FPGA_L07_P032" (solid, remove dead copper, pour order 32): 91.025,44.35 91.025,35.85 88.7,33.525 53.95,33.525 52.975,34.5 52.975,39.725 53.9,40.65 76.125,40.65 84.4,40.65 88.325,44.575 90.625,44.575 90.8,44.575
VREF_DDR2 on L7 "VREF_DDR2_L07_P030" (solid, remove dead copper, pour order 30): 77.225,41.675 83.025,41.675 88.35,47 88.725,47 95,53.275 95,62.025 93.05,63.975 78.7,63.975 75.775,61.05 75.775,42.825 76.925,41.675
GND on L7 "GND_L07_P047" (solid, remove dead copper, pour order 47): 15,4.5 15,12.75 33.35,12.75 33.35,4.5 41.35,4.5 41.35,10.925 cw(c43.175,10.925) 45,10.925 45,6.3 56.2,6.3 56.2,7.45 cw(c57.15,7.45) 58.1,7.45 58.1,6.3 79.3,6.3 79.3,12.75 136.85,12.75 136.85,68.9 0,68.9 0,4.5
GND on Top "GND_L01_P039" (solid, remove dead copper, pour order 39): 15,4.5 15,12.75 33.35,12.75 33.35,4.5 41.35,4.5 41.35,10.925 cw(c43.175,10.925) 45,10.925 45,6.325 56.2,6.325 56.2,7.45 cw(c57.15,7.45) 58.1,7.45 58.1,6.325 79.3,6.325 79.3,12.75 136.85,12.75 136.85,68.9 0,68.9 0,4.5
GND on L2 "GND_L02_P040" (solid, remove dead copper, pour order 40): 15,4.5 15,12.75 33.35,12.75 33.35,4.5 41.35,4.5 41.35,10.925 cw(c43.175,10.925) 45,10.925 45,6.25 56.2,6.25 56.2,7.45 cw(c57.15,7.45) 58.1,7.45 58.1,6.25 79.3,6.25 79.3,12.75 136.85,12.75 136.85,68.9 0,68.9 0,4.5
GND on L11 "GND_L11_P051" (solid, remove dead copper, pour order 51): 15,4.5 15,12.75 33.35,12.75 33.35,4.5 41.35,4.5 41.35,10.925 cw(c43.175,10.925) 45,10.925 45,6.275 56.2,6.275 56.2,7.45 cw(c57.15,7.45) 58.1,7.45 58.1,6.275 79.3,6.275 79.3,12.75 136.85,12.75 136.85,68.9 0,68.9 0,4.5
GND on Bottom "GND_L12_P053" (solid, remove dead copper, pour order 53): 15,4.5 15,12.75 33.35,12.75 33.35,4.5 41.35,4.5 41.35,10.925 cw(c43.175,10.925) 45,10.925 45,6.35 56.2,6.35 56.2,7.45 cw(c57.15,7.45) 58.1,7.45 58.1,6.35 79.3,6.35 79.3,12.75 136.85,12.75 136.85,68.9 0,68.9 0,4.5

## Keep-outs
Top:
  rectangle: 79.275,12.75 136.775,13.75
  rectangle: 0,58.5 12.7,68.9
  rectangle: 12.7,67.9 136.775,68.9
  rectangle: 135.775,13.75 136.775,68.9
  region: 0,4.45 15,4.45 ccw(c15,4.5) 15.05,4.5 15.05,12.7 33.3,12.7 33.3,7.95 ccw(c33.35,7.95) 33.35,7.9 41.35,7.9 ccw(c41.35,7.95) 41.4,7.95 ccw(c41.35,7.95) 41.4,7.951 41.4,10.925 cw(c43.175,10.925) 44.95,10.925 ccw(c45,10.925) 45.05,10.925 45.05,13.75 ccw(c45,13.75) 45,13.8 0,13.8 ccw(c0,13.75) -0.05,13.75 -0.05,4.5 ccw(c0,4.5)
Bottom:
  rectangle: 79.3,12.75 136.775,13.75
  rectangle: 135.775,13.75 136.775,68.9
  rectangle: 12.7,67.9 136.775,68.9
  rectangle: 0,58.5 12.7,68.9
  rectangle: 0,13.75 1,58.5
  region: 0,4.45 15,4.45 ccw(c15,4.5) 15.05,4.5 15.05,12.7 33.3,12.7 33.3,7.95 ccw(c33.35,7.95) 33.35,7.9 41.35,7.9 ccw(c41.35,7.95) 41.4,7.95 ccw(c41.35,7.95) 41.4,7.951 41.4,10.925 cw(c43.175,10.925) 44.95,10.925 ccw(c45,10.925) 45.05,10.925 45.05,13.75 ccw(c45,13.75) 45,13.8 0,13.8 ccw(c0,13.75) -0.05,13.75 -0.05,4.5 ccw(c0,4.5)